# Altium PCB Kamal.PcbDoc (continued)
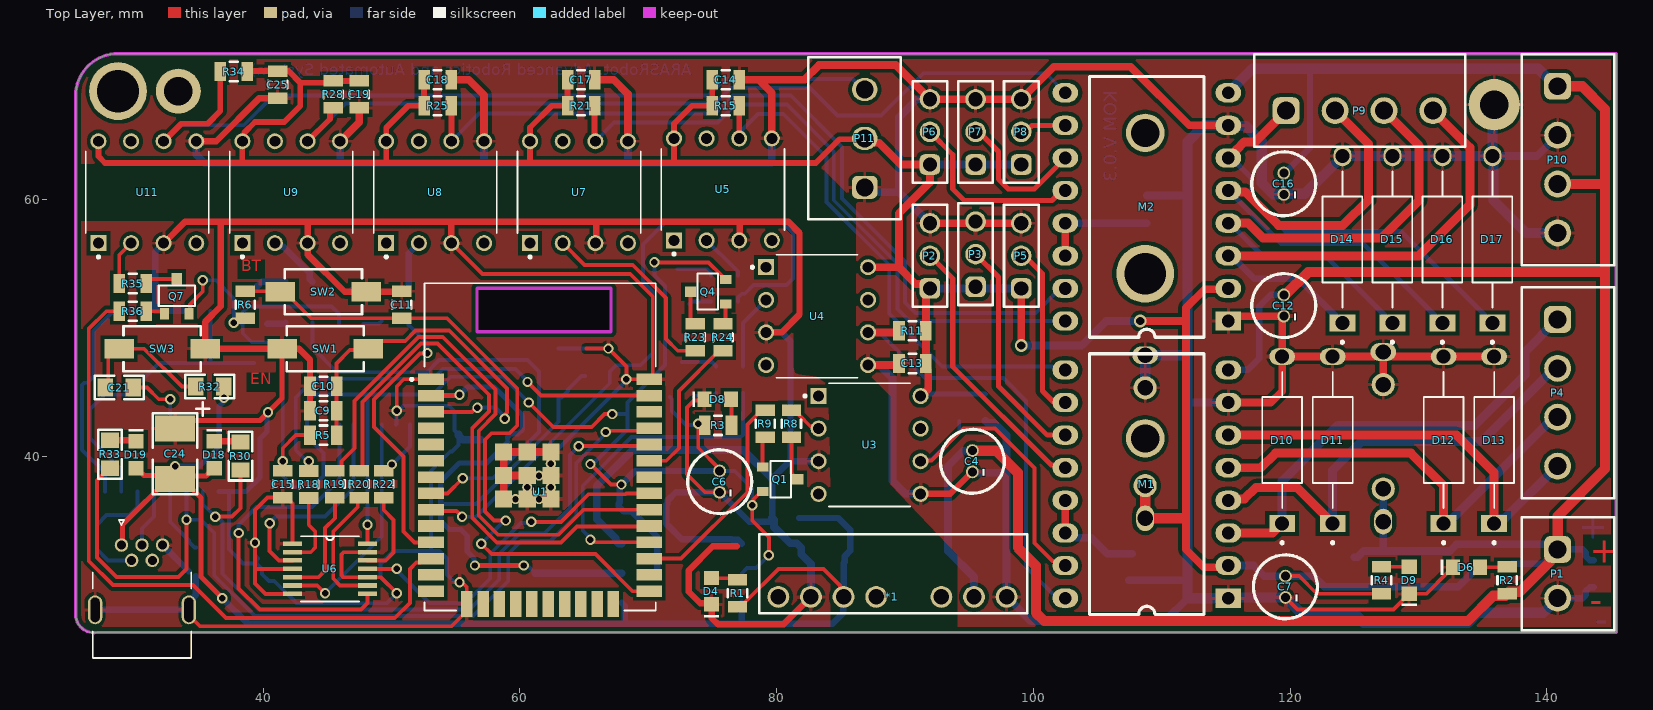
[diagram p0: Top Layer view]
## Nets (pads, with @x,y where several pads share a name; then routed paths per layer and width w, separated by ;. In a path a pad name is that pad's centre, name@x,y a point inside that pad or via, vN(x,y) a via of type N, cw(c..) or ccw(c..) an arc to the next point about the centre after c; other vN are vias at no path point) (continued)
  Top Layer w0.3: R32.1 36.957,45.415 v1(36.957,44.577) ; R1.2 77.262,28.287 77.562,28.587 77.562,28.662 80.142,31.242 83.658,31.242 84.949,29.951 84.949,29.478 *1.6@85.217,29.21
  Top Layer w0.4: J2.6 29.055,33.184 29.055,34.692 C24.2@32.805,38.442 ; D19.2 30.149,39.082 30.72,38.511 32.874,38.511 C24.2@33.147,38.238 ; v1(33.147,39.243) C24.2@33.147,38.238 ; D18.2 36.145,39.082 35.795,38.732 35.795,38.715 35.561,38.481 33.394,38.481 C24.2 ; v1(36.83,28.956) 35.179,30.607 35.179,36.756 33.699,38.236 C24.2 ; C24.2@33.147,38.238 C24.2
  Bottom Layer w0.4: v1(33.147,39.243) 35.052,39.243 36.576,40.767 U10.16 36.576,43.897 36.861,44.183 36.861,44.481 v1(36.957,44.577)
  Bottom Layer w0.5: v1(36.83,28.956) 38.827,26.959 68.175,26.959 ; REG1.3 68.175,28.375 68.175,26.959 ; 77.302,27 REG2.3 ; C3.2 84.8,35.2 85.725,34.275 D2.2 85.325,32.239 85.325,31.804 85.217,31.696 *1.6 85.205,29.044 85.205,27.805 84.359,26.959 77.302,26.959 68.175,26.959
+5V: C7.+ C8.2 C13.2 C14.2 C17.2 C18.2 C19.2 C25.2 D7.2 M1.2 M2.2 P2.1 P3.1 P5.1 P6.1 P7.1 P8.1 P11.2 R4.2 R7.2 R11.2 R15.2 R21.2 R25.2 R28.2 R34.2 REG3.2 REG3.4 U2.4 U3.8 U4.8 U5.8 U7.8 U8.8 U9.8 U11.8 | length 234.6
  Top Layer w0.3: 111.76,35.179 111.887,35.052 ; C7.+ 120.712,30.672 122.081,29.303 R4.2
  Top Layer w0.45: U11.8 27.178,63.373 27.686,62.865 38.481,62.865 ; R34.2@38.769,70.011 42.003,70.011 42.901,69.113 ; C19.2 R28.2 45.33,69.113 42.901,69.113 ; C18.2 R25.2 51.308,67.31 49.593,65.595 U8.8 49.593,62.928 49.53,62.865 ; C17.2 R21.2 62.484,67.31 60.801,65.627 U7.8 60.801,62.897 60.833,62.865 ; C14.2 R15.2 73.406,67.31 72.009,65.913 U5.8 72.009,62.865 ; P11.2@86.804,64.706 84.899,64.706 83.058,62.865 72.009,62.865 ; 38.481,62.865 49.53,62.865 ; 38.481,62.865 38.386,62.96 U9.8 38.539,64.702 38.539,65.209 39.37,66.04 41.656,66.04 42.901,67.285 42.901,69.113 ; 49.53,62.865 60.833,62.865 ; 60.833,62.865 72.009,62.865
  Top Layer w0.6: P11.2@86.804,64.706 P11.2 87.212,64.426 87.974,64.426 89.662,62.738 P6.1 91.948,61.341 89.535,58.928 89.535,54.737 ; U4.8 89.535,54.737 ; U3.8@91.219,44.577 91.219,44.651 91.821,45.253 91.821,46.758 91.635,46.944 C13.2 R11.2 P2.1@91.635,53.086 ; P2.1 P2.1@91.635,53.086 ; v2(99.06,48.641) P5.1 ; v2(108.331,50.546) 111.887,50.546 ; M1.2@115.148,31.369 113.284,31.369 111.887,32.766 111.887,35.052 111.887,50.546 ; M2.2@115.347,53.086 115.29,53.029 113.354,53.029 111.887,51.562 111.887,50.546 ; 89.535,54.737 90.848,53.424 91.456,53.424 91.456,53.265 P2.1@91.635,53.086
  Top Layer w0.8: U2.4@108.712,37.719 108.712,35.179 111.76,35.179
  Bottom Layer w0.4: U3.8 91.38,44.865 R7.2 C8.2
  Bottom Layer w0.6: P2.1 95.377,53.086 P3.1 95.631,53.086 P5.1 ; P6.1 P7.1 P8.1 ; v2(99.06,48.641) 103.759,48.641 105.664,50.546 v2(108.331,50.546) ; M1.2 117.161,31.496 117.986,30.672 C7.+ 121.855,30.672 122.682,29.845 REG3.2 REG3.4 133.096,29.845 D7.2
+12: *1.2 C4.+ C5.2 C12.+ C16.+ D3.2 M1.8 M2.8 P1.1 P10.1 P10.3 R2.2 REG3.3 U2.2 | length 216.3
  Top Layer w0.8: C4.+ 97.09,40.451 98.8,38.741 98.8,32.9 100.203,31.497 100.203,27.813 100.838,27.178 133.858,27.178 135.833,29.153 136.756,29.153 R2.2 137.056,29.453 137.911,29.453 140.232,31.774 140.232,32.155 P1.1 140.843,35.343 144.526,39.026 144.526,54.356 ; M2.8@115.278,68.237 M2.8@115.385,68.237 ; C12.+ 119.629,52.581 121.404,54.356 144.526,54.356 ; P10.3 144.399,61.214 144.526,61.087 ; P10.1 142.748,68.834 144.526,67.056 144.526,61.087 ; 144.526,54.356 144.526,61.087
  Bottom Layer w0.5: M1.8 116.713,46.736 117.602,47.625 117.602,51.689 118.494,52.581 C12.+ ; C16.+@119.498,61.998 121.55,64.05 121.55,70.2 ; D3.2 139.7,31.623 P1.1 142.782,32.766 143.037,32.511 143.037,32.211 143.337,31.911 C5.2 ; P10.1@140.694,68.834 P10.1
  Bottom Layer w0.6: C4.+ 94.553,40.451 93.345,39.243 93.345,32.639 95.377,30.607 *1.2 ; REG3.3 125.247,32.145 125.741,32.639 127.254,32.639 ; U2.2@127.254,37.465 127.254,34.925 127.254,32.639 ; P1.1 140.462,33.147 132.969,33.147 132.461,32.639 127.254,32.639
  Bottom Layer w0.8: M2.8 117.063,70.2 121.55,70.2 139.328,70.2 140.044,69.484 140.125,69.484 140.694,68.915 P10.1@140.694,68.834
BOOT: C11.2 R6.1 SW2.2 U1.25 | length 55
  Top Layer w0.3: R6.1 41.32,52.866 SW2.2 41.754,52.832 42.354,52.232 42.354,52.134 43.722,50.766 54.334,50.766 59.8,45.3 59.8,42.4 59.2,41.8 57.8,41.8 57.3,41.3 57.3,35.7 58,35 v1(58.9,35) ; v1(57,33.2) 57.815,32.385 65.894,32.385 68.78,29.499 U1.25
  Bottom Layer w0.3: v1(57,33.2) 58.8,35 v1(58.9,35)
CH_RESET: C21.2 U10.13 | length 4.9
  Top Layer w0.3: C21.2 30.963,45.364 31.877,44.45 v1(32.766,44.45)
  Bottom Layer w0.3: U10.13 v1(32.766,44.45)
CS_LLS: J1.2 U6.8 | length 30.2
  Top Layer w0.3: v1(38.1,34.036) 38.1,29.718 39.751,28.067 47.625,28.067 48.133,28.575 U6.8
  Bottom Layer w0.3: v1(38.1,34.036) 38.1,34.671 39.497,36.068 43.815,36.068 45.947,38.2 J1.2
D+: J2.3 J2.8 U10.5 | length 4.5
  Bottom Layer w0.3: J2.8 30.569,34.379 31.496,35.306 U10.5
D-: J2.2 J2.7 U10.6 | length 9.9
  Bottom Layer w0.3: J2.7 27.919,31.898 27.051,32.766 27.051,34.671 27.813,35.433 29.591,35.433 30.226,36.068 U10.6
DI_LLS: J1.3 U6.3 | length 16.9
  Top Layer w0.3: v1(40.513,34.798) 40.513,32.639 41.25,31.902 U6.3
  Bottom Layer w0.3: v1(40.513,34.798) 41.021,35.306 44.831,35.306 47.047,37.522 J1.3
Direction1_Driver: M1.16 R11.1 U4.6 | length 34.2
  Top Layer w0.6: U4.6@87.163,49.657 R11.1@89.61,49.657
  Bottom Layer w0.3: U4.6 87.132,49.647 88.021,49.647 91.568,46.1 97.664,46.1 99.441,44.323 99.441,31.369 102.047,28.763 M1.16@102.489,28.321
Direction1_ESP: R13.2 U1.28 | length 26.5
  Top Layer w0.3: v1(65.5,33.5) 65.635,33.5 65.826,33.309 U1.28
  Bottom Layer w0.3: v1(65.5,33.5) 65.5,33.635 64.9,34.235 64.9,37.7 68.7,41.5 77.201,41.5 77.377,41.676 R13.2
Direction2_Driver: M2.16 R21.1 U7.6 | length 51.8
  Top Layer w0.45: R21.1 65.82,64.61 U7.6
  Bottom Layer w0.3: U7.6 67.332,66 75.4,66 76.8,67.4 80.8,67.4 84.455,63.745 84.455,59.956 89.408,55.003 89.408,51.492 90.354,50.546 M2.16
Direction2_ESP: R24.2 U1.33 | length 11.9
  Top Layer w0.3: U1.33 71.409,39.659 72.39,40.64 72.39,45.097 75.519,48.226 R24.2
DO_LLC: J1.7 R22.1 | length 4.6
  Top Layer w0.3: R22.1 49.703,39.196 49.885,39.196 49.885,39.217 v1(50.038,39.37)
  Bottom Layer w0.3: v1(50.038,39.37) 51.447,40.779 J1.7
EN: C9.2 C10.2 R5.1 SW1.2 U1.3 | length 30.6
  Top Layer w0.3: R5.1 45.72,41.69 45.72,47.244 46.757,48.281 48.475,48.281 49.181,48.987 51.074,48.987 51.887,49.8 54.5,49.8 59,45.3 59,43.426 58.93,43.356 58.93,43.03 v1(58.834,42.934) ; U1.3 56.274,43.469 56.605,43.8 v1(56.7,43.8)
  Bottom Layer w0.3: v1(56.7,43.8) 58.1,43.8 58.834,43.066 v1(58.834,42.934)
GND_ESP: *1.7 C1.1 C2.1 C3.1 C6.- C9.1 C10.1 C11.1 C15.2 C20.1 C22.2 C23.2 C24.1 D1.1 D2.1 D4.1 D5.1 D8.1 J1.6 J1.SH1 J1.SH2 J1.SH3 J1.SH4 J2.5 J2.10 J2.11 J2.12 J2.S1 J2.S2 REG1.1 REG2.1 SW1.1 SW2.1 SW3.1 U1.1 U1.15 U1.38 U1.39_1 U1.39_2 U1.39_3 U1.39_4 U1.39_5 U1.39_6 U1.39_7 U1.39_8 U1.39_9 U1.39_14 U1.39_16 U1.39_18 U1.39_19 U1.39_20 U1.39_21 U3.3 U4.3 U5.3 U6.1 U6.4 U6.7 U6.10 U6.13 U7.3 U8.3 U9.3 U10.1 U11.3 | length 405
  Top Layer w0.3: J2.12 34.219,27.638 35.091,26.766 54.681,26.766 55.864,27.949 U1.15 55.864,29.837 55.597,30.104 55.396,30.104 v1(55.3,30.2) ; U6.7 40.183,29.286 39.37,30.099 39.37,31.242 ; U6.4 39.37,31.242 ; U6.1 42.291,36.334 41.829,36.796 C15.2 40.352,36.796 39.37,35.814 v1(39.37,33.274) 39.37,31.242 ; U6.13 46.277,32.537 46.101,32.362 46.101,30.757 46.277,30.582 U6.10 49.174,30.582 v1(50.419,29.337) ; v1(50.419,43.561) 50.419,45.466 50.962,46.009 U1.1 ; U8.3 57.082,54.2 68.6,54.2 70.358,52.442 70.358,46.288 U1.38 68.31,46.009 v1(68.3,46) 68.3,47 v1(66.9,48.4) ; 65.2,48.4 v1(66.9,48.4) ; v1@67.2,48.4 v1(66.9,48.4) ; D8.1 74.292,44.354 73.564,44.354 73.025,43.815 73.025,38.608 74.425,37.208 C6.-
  Top Layer w0.4: C24.1 33.775,42.799 39.751,42.799 v1(40.386,43.434) 41.481,44.529 SW1.1
  Top Layer w0.5: U11.3 33.942,58.293 36.703,58.293 ; C9.1 C10.1 43.654,47.532 42.799,48.387 SW3.1 35.481,50.467 36.703,51.689 36.703,58.293 ; C11.1 50.766,52.832 SW2.1 46.355,52.832 43.494,55.693 43.494,56.581 U9.3 43.466,58.261 43.434,58.293 ; U8.3 54.673,58.27 54.697,58.293 ; U7.3 65.96,56.688 65.96,58.293 ; 76.888,33 75.037,33 73.152,31.115 73.152,29.464 74.056,28.56 74.852,28.56 D4.1 74.958,28.454 74.958,27.404 75.438,26.924 80.545,26.924 *1.7 ; U5.3 77.135,56.876 77.135,58.212 77.216,58.293 ; U4.3@79.218,49.657 80.391,49.657 81.788,51.054 81.788,57.404 80.899,58.293 77.216,58.293 ; 36.703,58.293 43.434,58.293 ; 43.434,58.293 54.697,58.293 ; 54.697,58.293 65.96,58.293 ; 65.96,58.293 77.216,58.293
  Top Layer w0.6: U1.39_7 U1.39_4 ; U1.39_8 U1.39_18 U1.39_5 ; U1.39_9 U1.39_19 U1.39_6 U1.39_16 U1.39_5 ; U1.39_14 U1.39_3 U1.39_2 U1.39_1 U1.39_4 ; U1.39_4 U1.39_5
  Bottom Layer w0.3: 37.338,37.255 37.338,32.766 38.446,31.658 J1.SH1@39.511,31.658 ; v1(39.37,33.274) 39.37,32.307 39.624,32.053 39.511,31.94 J1.SH1@39.511,31.658 ; J1.SH1 J1.SH1@39.511,31.658 ; J1.SH1@39.921,31.248 39.921,30.823 40.451,30.294 40.875,30.294 42.602,28.567 49.649,28.567 v1(50.419,29.337) 49.149,30.607 49.149,31.623 50.166,32.64 53.086,32.64 ; J1.6 50.383,42.53 50.383,43.525 v1(50.419,43.561) 50.554,43.561 50.935,43.942 54.483,43.942 54.919,43.506 54.919,42.031 J1.SH4 ; J1.SH4@55.218,41.65 55.218,40.882 54.718,40.382 54.582,40.382 53.086,38.886 53.086,32.64 ; v1(55.3,30.2) 54.929,30.2 54.329,30.8 J1.SH3 54.329,32.04 53.729,32.64 53.086,32.64 ; U1.39_14 62.422,39.435 62.422,40.022 68.3,45.9 v1(68.3,46) ; D1.1 66.895,48.405 v1(66.9,48.4)
  Bottom Layer w0.4: U10.1 37.338,37.255 38.652,37.255 39.751,38.354 39.751,41.378 J1.SH2 40.301,41.928 40.301,43.241 40.386,43.326 v1(40.386,43.434)
  Bottom Layer w0.5: J2.11 J2.12 34.219,28.66 34.773,29.213 C23.2 ; J2.10 C23.2@34.219,31.048 ; U11.3 32.258,56.602 31.598,55.941 C20.1 C22.2 ; REG2.1 77.002,33.5 76.526,33.5 76.484,33.542 72.619,33.542 71.421,34.74 71.421,36.242 D5.1 71.501,36.572 72.137,37.208 C6.- 77.873,34.9 79.65,34.9 C3.1 79.65,38.253 81.087,39.69 ; U4.3 80.391,49.657 81.087,48.961 81.087,39.69 ; U3.3 81.153,39.624 81.087,39.69
  Bottom Layer w0.6: J1.SH4 55.218,41.65 55.568,41.3 C1.1@56.95,41.3 ; REG1.1 67.725,33.2 67.475,33.45 67.475,33.625 66,35.1 66,37.7 68.8,40.5 77.403,40.5 79.65,38.253 ; C3.1 79.8,35.05 79.8,34.5 81.061,33.239 81.565,33.239 81.915,32.889 D2.1 81.915,32.389 82.677,31.627 *1.7
GND_MOTOR: *1.1 C4.- C5.1 C7.- C8.1 C12.- C13.1 C14.1 C16.- C17.1 C18.1 C19.1 C25.1 D3.1 D6.1 D7.1 D9.1 D10.A D11.A D12.A D13.A D14.A D15.A D16.A D17.A M1.1 M1.7 M2.1 M2.7 P1.2 P2.3 P3.3 P5.3 P6.3 P7.3 P8.3 P10.2 P10.4 P11.1 pad.2@135.9,67.4 R10.1 R14.1 REG3.1 U2.1 U2.3 U3.5 U4.5 U5.5 U7.5 U8.5 U9.5 U11.5 | length 384
  Top Layer w0.3: C7.- 120.585,28.067 128.05,28.067 128.836,28.853 128.836,28.903 129.236,29.303 D9.1 130.615,29.303 132.231,30.919 132.281,30.919 132.681,31.319 D6.1
  Top Layer w0.5: U11.5 36.355,64.549 39.717,67.911 C25.1 ; U3.5@91.13,37.084 U3.5 93.537,37.084 C4.-
  Top Layer w0.6: U9.5 47.498,66.041 C19.1 ; C18.1 56.007,69.342 57.213,68.136 U8.5 ; C17.1 67.31,69.342 68.421,68.231 U7.5 ; C14.1 78.613,69.342 ; U5.5 79.629,68.326 78.613,69.342 ; U4.5 C13.1@89.223,47.117 ; P2.3 P3.3@95.377,58.166 ; P3.3 P3.3@95.377,58.166 ; P5.3 P3.3@95.377,58.166 ; M1.7@115.005,44.196 M1.7 118.491,44.196 119.38,45.085 D10.A ; M2.1 115.57,50.927 C12.- ; M2.7 112.141,65.786 107.569,70.358 101.6,70.358 P8.3 P7.3 P6.3 89.281,70.485 83.312,70.485 82.169,69.342 78.613,69.342 ; C12.-@119.43,50.75 119.43,50.568 119.38,50.517 D10.A ; U2.1@127.254,45.593 U2.1@127.254,48.133 ; D13.A D12.A 128.018,47.775 127.66,48.133 U2.1@127.254,48.133 ; D10.A D11.A 126.49,47.775 126.848,48.133 U2.1@127.254,48.133
  Bottom Layer w0.3: 111.887,47.879 112.014,48.006 ; D17.A D17.A@135.842,63.396
  Bottom Layer w0.5: D14.A@123.768,63.396 D14.A ; P1.2 142.782,28.956 143.037,29.211 143.037,29.511 143.337,29.811 C5.1
  Bottom Layer w0.6: U11.5 34.798,63.5 35.433,62.865 45.974,62.865 ; U9.5 46.006,62.897 45.974,62.865 ; U8.5 57.213,62.928 57.15,62.865 ; U7.5 68.421,62.96 68.326,62.865 ; U5.5 79.629,62.865 68.326,62.865 ; P11.1 87.249,60.579 89.535,60.579 ; U4.5 87.156,47.083 88.045,47.083 89.027,46.101 89.027,38.1 90.043,37.084 U3.5 ; P6.3@91.313,67.818 90.932,67.818 89.535,66.421 89.535,60.579 ; P2.3 89.535,60.579 ; C4.-@95.25,38.735 97.917,38.735 ; C8.1 96.416,42.615 96.958,42.615 97.917,41.656 97.917,38.735 ; R10.1@107.442,30.353 112.014,30.353 ; R14.1@108.847,60.325 112.014,60.325 ; 111.955,55.177 112.014,55.118 ; 112.014,28.956 110.236,27.178 99.795,27.178 *1.1 97.917,38.735 ; 112.014,44.196 M1.7@115.159,44.196 ; M1.1@115.756,28.639 M1.1@116.136,29.018 ; D17.A@135.842,63.396 139.215,63.396 P10.2 ; P1.2@140.694,28.765 P1.2@141.034,28.765 ; 45.974,62.865 57.15,62.865 ; 57.15,62.865 68.326,62.865
  Bottom Layer w0.8: U2.3@108.712,45.339 108.712,47.879 111.887,47.879 ; M1.1 112.014,28.956 112.014,30.353 112.014,44.196 112.014,48.006 112.014,55.118 112.014,60.325 112.014,64.514 113.286,65.786 M2.7 115.23,65.745 116.555,65.745 117.8,64.5 117.8,61.3 118.686,60.414 C16.- 119.545,60.452 121.135,60.452 D14.A D15.A D16.A D17.A 135.763,67.263 pad.2@135.9,67.4 ; M1.1@116.136,29.018 C7.- 121.107,27.545 REG3.1 125.247,27.545 125.741,27.051 133.862,27.051 134.624,27.813 D7.1 D3.1 139.742,27.813 P1.2@140.694,28.765 ; D17.A@135.842,63.396 135.842,59.958 138.396,57.404 P10.4
Mot1_ENABLE: M1.9 R15.1 U5.6 | length 41.5
  Top Layer w0.45: U5.6 R15.1
  Bottom Layer w0.3: U5.6 77.271,64.952 77.271,65.397 78.551,66.677 80.523,66.677 83.9,63.3 83.9,59.804 88.773,54.931 88.773,51.127 92.9,47 101.463,47 101.498,46.966 102.259,46.966 M1.9
Mot2_ENABLE: M2.9 R28.1 U9.6 | length 67.1
  Top Layer w0.45: U9.6 45.204,66.288 45.204,66.924 45.429,67.149 R28.1
  Bottom Layer w0.3: U9.6 46.417,67.5 75.2,67.5 76.4,68.7 82.6,68.7 84.752,66.548 88.138,66.548 91.44,69.85 100.965,69.85 M2.9
Motor1_Enable: R17.2 U1.9 | length 53.6
  Top Layer w0.3: U1.9 53.182,35.747 55.053,35.747 v1(55.5,35.3)
  Bottom Layer w0.3: v1(55.5,35.3) 56.6,35.3 67,45.7 67,46.6 67.5,47.1 69.4,47.1 70.358,48.058 70.358,52.832 69.596,53.594 69.596,56.515 71.374,58.293 80.391,58.293 81.28,57.404 81.28,53.848 80.772,53.34 78.189,53.34 77.519,52.67 77.296,52.67 76.996,52.37 R17.2
Motor2_Enable: R31.2 U1.8 | length 36.3
  Top Layer w0.3: U1.8 53.095,37.103 54.353,37.103 v1(55.55,38.3)
  Bottom Layer w0.3: R31.2 43.849,48.48 45.779,46.55 52.75,46.55 53.7,47.5 60.6,47.5 61.5,46.6 61.5,41.907 57.893,38.3 v1(55.55,38.3)
MOTOR_A_A1: D12.C M1.5 P4.3 | length 33.5
  Top Layer w0.7: M1.5 117.729,39.116 118.872,40.259 129.413,40.259 131.953,37.719 D12.C
  Bottom Layer w0.5: D12.C 132.303,34.775 132.703,35.175 D12.C@132.703,35.208 ; P4.3@140.548,43.053 P4.3@140.805,43.053
  Bottom Layer w0.7: D12.C@132.703,35.208 P4.3@140.548,43.053
MOTOR_A_A2: D13.C M1.6 P4.4 | length 32.6
  Top Layer w0.7: M1.6 132.969,41.656 135.89,38.735 D13.C
  Bottom Layer w0.7: D13.C 136.29,35.175 136.737,35.175 P4.4@140.805,39.243
MOTOR_A_B1: D10.C M1.3 P4.1 | length 35.5
  Top Layer w0.7: M1.3 118.641,34.036 D10.C
  Bottom Layer w0.7: D10.C 119.38,38.08 123.718,42.418 134.366,42.418 138.303,46.355 138.303,48.171 P4.1@140.805,50.673
MOTOR_A_B2: D11.C M1.4 P4.2 | length 34.6
  Top Layer w0.5: M1.4 M1.4@115.303,36.69
  Top Layer w0.7: M1.4@115.303,36.69 116.446,36.69 117.348,37.592 120.5,37.592 D11.C
  Bottom Layer w0.5: P4.2@140.589,46.863 P4.2@140.805,46.863
  Bottom Layer w0.7: D11.C 123.317,38.917 125.548,41.148 134.874,41.148 P4.2@140.589,46.863
MOTOR_B_A1: D16.C M2.5 P9.2 | length 41.8
  Top Layer w0.7: M2.5 115.284,60.611 116.489,60.611 119.1,58 124.1,58 126.111,60.011 126.111,64.326 P9.2
  Bottom Layer w0.4: M2.5 119.295,56.6 125.664,56.6 D16.C
MOTOR_B_A2: D17.C M2.6 P9.1 | length 33.1
  Top Layer w0.7: M2.6 115.223,63.246 115.839,63.862 115.839,63.896 116.443,64.5 117.269,64.5 P9.1@119.923,67.154
  Bottom Layer w0.4: M2.6 115.439,63.246 117,61.685 117,60.2 119.7,57.5 128.659,57.5 D17.C@135.738,50.421
MOTOR_B_B1: D14.C M2.3 P9.4 | length 40
  Top Layer w0.7: M2.3 130.026,55.626 134,59.6 134,64.057 P9.4
  Bottom Layer w0.5: M2.3 115.443,55.626 117.221,53.848 120.627,53.848 D14.C
MOTOR_B_B2: D15.C M2.4 P9.3 | length 40.6
  Top Layer w0.7: M2.4 116.734,58.166 117.9,57 127.104,57 130.048,59.944 130.048,64.199 P9.3
  Bottom Layer w0.4: M2.4@115.252,58.229 117.729,55.753 122.617,55.753 D15.C
NetC20_2: C20.2 U10.8 Y1.2 | length 17
  Bottom Layer w0.3: U10.8 27.686,38.735 25.908,40.513 25.908,45.567 26.084,45.743 26.312,45.743 26.797,46.228 26.797,49.784 28.346,51.333 C20.2
NetC21_1: C21.1 R32.2 SW3.2 | length 10.8
  Top Layer w0.3: C21.1 27.94,45.593 27.94,47.787 28.54,48.387 30.734,48.387 33.68,45.441 R32.2
NetC22_1: C22.1 U10.7 Y1.1 | length 25.7
  Bottom Layer w0.3: U10.7 28.956,38.989 26.543,41.402 26.543,43.688 27.686,44.831 29.464,44.831 31.904,47.271 35.941,47.271 ; C22.1 35.916,47.297 35.941,47.271 ; Y1.1@39.295,47.271 35.941,47.271
NetC23_1: C23.1 U10.4 | length 5.3
  Bottom Layer w0.3: U10.4 32.766,34.901 34.223,33.445 34.223,33.345 34.673,32.895 C23.1
NetD4_2: D4.2 R1.1 | length 1.9
  Top Layer w0.3: D4.2 R1.1@76.835,30.514
NetD6_2: D6.2 R2.1 | length 2.1
  Top Layer w0.3: D6.2 136.872,31.369 R2.1
NetD8_2: D8.2 R3.1 | length 1.9
  Top Layer w0.3: D8.2 76.488,44.416 R3.1@76.488,42.545
NetD9_2: D9.2 R4.1 | length 1.9
  Top Layer w0.3: R4.1 D9.2@129.032,31.403
NetD18_1: D18.1 R30.1 | length 2.1
  Top Layer w0.5: D18.1 38.193,41.182 R30.1
NetD19_1: D19.1 R33.1 | length 2
  Top Layer w0.5: R33.1 30.031,41.25 D19.1
NetJ2_4: J2.4 J2.9
NetM1_10: M1.10 P5.2 | length 13.5
  Top Layer w0.4: P5.2 99.314,55.626 100.711,54.229 100.711,45.085 101.6,44.196 M1.10
NetM1_11: M1.11 P3.2 | length 17.8
  Top Layer w0.4: P3.2 97.282,53.975 97.282,45.466 101.092,41.656 M1.11@102.527,41.656
NetM1_12: M1.12 P2.2 | length 21.4
  Top Layer w0.4: P2.2 93.726,53.848 93.726,46.99 101.39,39.326 102.292,39.326 M1.12@102.502,39.116
NetM1_13: M1.13 M1.14 R10.2 | length 10.8
  Top Layer w0.6: M1.14 M1.13
  Bottom Layer w0.6: M1.13 102.489,34.452 102.712,34.229 102.932,34.229 102.932,34.087 103.357,33.662 104.514,33.662 105.757,32.419 R10.2
NetM2_10: M2.10 P8.2 | length 3.6
  Top Layer w0.4: P8.2 99.385,65.278 99.893,65.786 M2.10
NetM2_11: M2.11 P7.2 | length 10.8
  Top Layer w0.4: P7.2@95.758,65.278 97.282,63.754 97.282,61.595 98.044,60.833 100.076,60.833 M2.11
NetM2_12: M2.12 P6.2 | length 14.6
  Top Layer w0.4: P6.2 93.726,63.5 93.726,60.833 94.615,59.944 101.455,59.944 102.217,60.706 M2.12
NetM2_13: M2.13 M2.14 R14.2 | length 8.9
  Top Layer w0.6: M2.14 M2.13
  Bottom Layer w0.6: M2.13 R14.2@108.839,58.166
NetQ1_B: Q1.B R9.1 | length 2.4
  Top Layer w0.3: Q1.B 78.914,41.288 R9.1
NetQ1_C: Q1.C R8.2 | length 3.5
  Top Layer w0.3: R8.2 81.153,38.708 81.334,38.527 81.334,38.477 81.584,38.227 Q1.C
NetQ2_B: Q2.B R13.1 | length 1.8
  Bottom Layer w0.3: Q2.B 73.694,44.724 75.043,44.724 R13.1
NetQ2_C: Q2.C R12.2 | length 2.8
  Bottom Layer w0.3: Q2.C 74.977,47.344 75.277,47.044 R12.2
NetQ3_B: Q3.B R17.1 | length 1.8
  Bottom Layer w0.3: Q3.B 73.213,51.87 73.413,52.07 R17.1
NetQ3_C: Q3.C R16.2 | length 2.9
  Bottom Layer w0.3: Q3.C 74.596,54.583 74.896,54.283 R16.2
NetQ4_B: Q4.B R24.1 | length 1.6
  Top Layer w0.3: R24.1 76.026,50.533 Q4.B
NetQ4_C: Q4.C R23.2 | length 2.7
  Top Layer w0.3: Q4.C 73.306,50.626 73.606,50.326 R23.2
NetQ5_B: Q5.B R27.1 | length 1.5
  Bottom Layer w0.3: Q5.B 49.035,50.339 R27.1
NetQ5_C: Q5.C R26.2 | length 2.5
  Bottom Layer w0.3: Q5.C 49.015,53.059 R26.2
NetQ6_B: Q6.B R31.1 | length 1.5
  Bottom Layer w0.5: Q6.B 41.669,50.339 R31.1
NetQ6_C: Q6.C R29.2 | length 2.6
  Bottom Layer w0.5: Q6.C 39.37,53.109 39.52,53.259 39.57,53.259 39.905,53.594 R29.2
NetQ7_B: Q7.B R36.1 | length 1.5
  Top Layer w0.3: R36.1 32.124,51.308 32.324,51.108 Q7.B
NetQ7_C: Q7.C R35.2 | length 2.6
  Top Layer w0.3: R35.2 30.895,53.521 31.195,53.821 Q7.C
NetR8_1: R8.1 U3.2 | length 2.5
  Top Layer w0.3: R8.1@81.373,43.595 81.453,43.595 81.753,43.295 81.753,43.215 82.622,42.346 83.097,42.346 U3.2
NetR12_1: R12.1 U4.2 | length 6
  Bottom Layer w0.3: R12.1 77.377,50.392 U4.2
NetR16_1: R16.1 U5.2 | length 3.8
  Bottom Layer w0.3: U5.2 76.677,54.702 76.696,54.702 76.996,54.402 R16.1
NetR18_2: R18.2 U6.2 | length 6
  Top Layer w0.3: U6.2 43.713,32.537 44.069,32.893 44.069,34.163 43.561,34.671 R18.2
NetR19_2: R19.2 U6.5 | length 8.8
  Top Layer w0.3: U6.5 44.298,30.582 44.831,31.115 44.831,34.417 45.593,35.179 R19.2
NetR20_2: R20.2 U6.9 | length 10
  Top Layer w0.3: R20.2 47.375,36.673 47.375,36.072 45.466,34.163 45.466,30.48 45.999,29.947 U6.9
NetR22_2: R22.2 U6.12 | length 6.9
  Top Layer w0.3: U6.12 49.555,31.902 50.165,32.512 50.165,35.052 49.403,35.814 R22.2
NetR23_1: R23.1 U7.2 | length 15.7
  Top Layer w0.3: U7.2 65.05,54.9 68.8,54.9 71.374,52.326 71.374,49.149 72.297,48.226 R23.1
NetR26_1: R26.1 U8.2 | length 4.1
  Bottom Layer w0.5: R26.1 51.342,55.818 U8.2
NetR29_1: R29.1 U9.2 | length 4.4
  Bottom Layer w0.5: U9.2 41.129,56.609 41.41,56.328 41.589,56.328 43.649,54.268 43.649,53.794 R29.1
NetR35_1: R35.1 U11.2 | length 3.5
  Top Layer w0.3: R35.1 28.795,55.686 U11.2
PWM_ESP: R36.2 U1.12 | length 52.4
  Top Layer w0.3: R36.2 27.813,51.308 26.416,49.911 26.416,31.877 28.321,29.972 34.544,29.972 37.116,27.4 50.26,27.4 51.435,28.575 51.435,31.242 51.932,31.739 52.229,31.739 U1.12@52.529,32.039
PWM_Servo: P11.3 R34.1 U11.6 | length 65.4
  Top Layer w0.45: U11.6 33.622,65.913 35.687,65.913 36.669,66.895 R34.1
  Bottom Layer w0.3: U11.6 33.509,65.8 38.5,65.8 40.8,68.1 74.7,68.1 76,69.4 85.927,69.4 86.747,68.58 P11.3
RX_ESP: R30.2 U1.34 U10.2 | length 55.6
  Top Layer w0.3: v1(36.272,35.306) 37.592,35.306 38.252,35.966 R30.2 ; v1(64.6,40.8) 69.95,40.8 U1.34
  Bottom Layer w0.3: U10.2 35.306,36.272 v1(36.272,35.306) 36.407,35.306 36.83,34.883 36.83,30.861 39.624,28.067 56.067,28.067 58.4,30.4 58.4,32.407 59.993,34 61.9,34 63.9,36 63.9,40.1 v1(64.6,40.8)
SCK_LLS: J1.5 U6.6 | length 17.8
  Top Layer w0.3: U6.6 44.221,29.947 v1(44.831,29.337)
  Bottom Layer w0.3: v1(44.831,29.337) 49.247,33.753 J1.5
SPI_CLK: R19.1 U1.30 | length 46
  Top Layer w0.3: R19.1 45.797,38.896 46.097,39.196 46.097,39.62 47.117,40.64 47.117,44.323 52.094,49.3 54,49.3 58.1,45.2 58.1,43.293 56.8,41.993 56.8,35.407 58.307,33.9 63,33.9 64.949,35.849 U1.30
SPI_CS: R20.1 U1.29 | length 44.1
  Top Layer w0.3: R20.1 47.752,39.15 47.752,44.251 52.301,48.8 53.6,48.8 57.6,44.8 57.6,43.5 56.3,42.2 56.3,35.2 58.2,33.3 63.2,33.3 64.444,34.544 70.044,34.544 U1.29
SPI_MISO: U1.31 U6.11 | length 27.8
  Top Layer w0.3: U6.11 v1(50.419,31.242) ; v1(60.9,34.9) 63.2,34.9 65.353,37.053 68.226,37.053 68.292,37.119 U1.31
  Bottom Layer w0.3: v1(50.419,31.242) 50.419,31.115 52.959,28.575 55.775,28.575 57.7,30.5 57.7,32.414 60.09,34.804 60.804,34.804 v1(60.9,34.9)
SPI_MOSI: R18.1 U1.37 | length 35.6
  Top Layer w0.3: R18.1 v1(43.561,39.624) ; v1(60.6,45.8) 61.66,44.739 U1.37
  Bottom Layer w0.3: v1(43.561,39.624) 43.434,39.624 42.545,40.513 42.545,44.577 44.018,46.05 53.25,46.05 54,46.8 59.674,46.8 60.6,45.874 v1(60.6,45.8)
Step1_Driver: M1.15 R7.1 U3.6 | length 25
  Top Layer w0.3: U3.6 91.287,39.692 92.071,39.692 94.543,42.164 97.028,42.164 100.1,39.092 100.1,33.25 101.498,31.852 101.558,31.852 101.914,31.496 M1.15@102.508,31.496
  Bottom Layer w0.3: U3.6 91.378,39.783 92.107,39.783 94.234,41.91 R7.1
Step1_ESP: R9.2 U1.27 | length 16.6
  Top Layer w0.3: U1.27 72.552,32.039 77.724,37.211 77.724,42.498 78.666,43.44 R9.2@78.873,43.44
Step2_Driver: M2.15 R25.1 U8.6 | length 64
  Top Layer w0.45: R25.1 54.673,67.281 U8.6
  Bottom Layer w0.3: U8.6 56.824,66.7 75.2,66.7 76.6,68.1 81.1,68.1 85.09,64.11 85.09,60.088 90,55.178 90,52 90.819,51.181 100.187,51.181 102.155,53.149 M2.15@102.425,53.149
Step2_ESP: R27.2 U1.11 | length 22.5
  Top Layer w0.3: v1(52.8,48.05) 52.77,48.02 52.228,48.02 48.641,44.433 48.641,42.291 50.927,40.005 50.927,34.163 51.805,33.285 53.055,33.285 U1.11
  Bottom Layer w0.3: R27.2 51.342,50.246 51.642,49.946 52.8,48.788 v1(52.8,48.05)
TX_ESP: R33.2 U1.35 U10.3 | length 72.2
  Top Layer w0.3: R33.2 27.992,39.065 27.051,38.124 27.051,32.131 28.575,30.607 33.401,30.607 34.036,31.242 v1(34.036,35.064) ; v1(66.7,41.9) 66.835,41.9 66.935,42 69.88,42 U1.35
  Bottom Layer w0.3: U10.3 v1(34.036,35.064) 35.167,35.064 36.194,34.037 36.194,33.275 36.195,30.734 39.37,27.559 56.359,27.559 59.1,30.3 59.1,32.4 60.1,33.4 62.4,33.4 64.4,35.4 64.4,39.5 66.7,41.8 v1(66.7,41.9)
pads on no net: *1.3 *1.5 *1.8 J1.1 J1.8 J1.COM U1.4 U1.5 U1.6 U1.7 U1.10 U1.13 U1.14 U1.16 U1.17 U1.18 U1.19 U1.20 U1.21 U1.22 U1.23 U1.24 U1.26 U1.32 U1.36 U3.1 U3.4 U3.7 U4.1 U4.4 U4.7 U5.1 U5.4 U5.7 U7.1 U7.4 U7.7 U8.1 U8.4 U8.7 U9.1 U9.4 U9.7 U10.9 U10.10 U10.11 U10.12 U10.14 U10.15 U11.1 U11.4 U11.7

## Polygon pours and split planes (outlines as drawn)
GND_MOTOR on Bottom Layer "GND_MOTOR_L02_P002" (solid, remove dead copper, pour order 2): 25.4,71.4 25.4,62.6 25.6,62.8 83.2,62.6 83.8,62.2 86.2,59.8 86.2,47.4 88.9,44.7 88.9,37.8 94.1,32.3 94.1,26.2 145.3,26.2 145.4,26.3 145.4,71.4
GND_ESP on Bottom Layer "GND_ESP_L02_P000" (solid, remove dead copper, pour order 0): 25.4,26.289 25.593,58.293 80.391,58.293 81.28,57.404 81.28,46.98 81.28,46.643 81.469,46.418 83,46.3 84.1,45.8 84.2,36.8 84.2,26.289
GND_ESP on Top Layer "GND_ESP_L01_P001" (solid, remove dead copper, pour order 1): 25.4,26.3 25.593,58.304 80.391,58.304 81.28,57.415 81.28,46.991 81.4,46.5 81.7,46.411 83.1,46.2 84,45.6 84.2,36.811 84.2,26.289 87,26.3
GND_MOTOR on Top Layer "GND_MOTOR_L01_P003" (solid, remove dead copper, pour order 3): 25.4,71.4 25.4,62.8 25.6,62.8 83.2,62.6 83.8,62.2 86.2,59.8 86.2,47.4 88.9,44.7 88.9,37.8 94.1,32.3 94.1,26.2 145.3,26.2 145.4,26.3 145.4,71.4

## Keep-outs
Keep-Out Layer:
  lines w0.254: 25.4,68.072 cw(c28.702,68.072) 28.702,71.374 ; 25.4,68.199 25.4,27.686 ccw(c26.82,27.686) 27.074,26.289 145.415,26.289 145.415,71.374 28.575,71.374 ; 56.659,49.7 56.659,53.1 67.1,53.1 67.1,52.25 67.1,50.55 67.1,49.7 56.659,49.7

## Other copper
Top Layer:
  text "BT" at 38.3,54.1 h1.5
  text "EN" at 39,45.3 h1.5
  text "+" at 143.354,31.721 h2
  text "-" at 143.354,27.854 h2
Bottom Layer:
  text "ARASRobot. Advanced Robotics and Automated System)" at 73.4,69.388 h1.52
  text "KOM V.0.3" at 106.5,68.5 h1 r90
  text "+" at 144.727,33.589 h2
  text "-" at 144.746,26.354 h2

## Text inside footprints (layer, text, board x,y; h text height)
C4: Top Overlay "-" at 95.544,39.117 h1.52 r270
C6: Top Overlay "-" at 75.859,37.528 h1.52 r270
C7: Top Overlay "-" at 119.928,29.338 h1.52 r270
C12: Top Overlay "-" at 119.801,51.247 h1.52 r270
C16: Top Overlay "-" at 119.801,60.734 h1.52 r270